# KiCad board mtk64_R_rev2.kicad_pcb (continued)
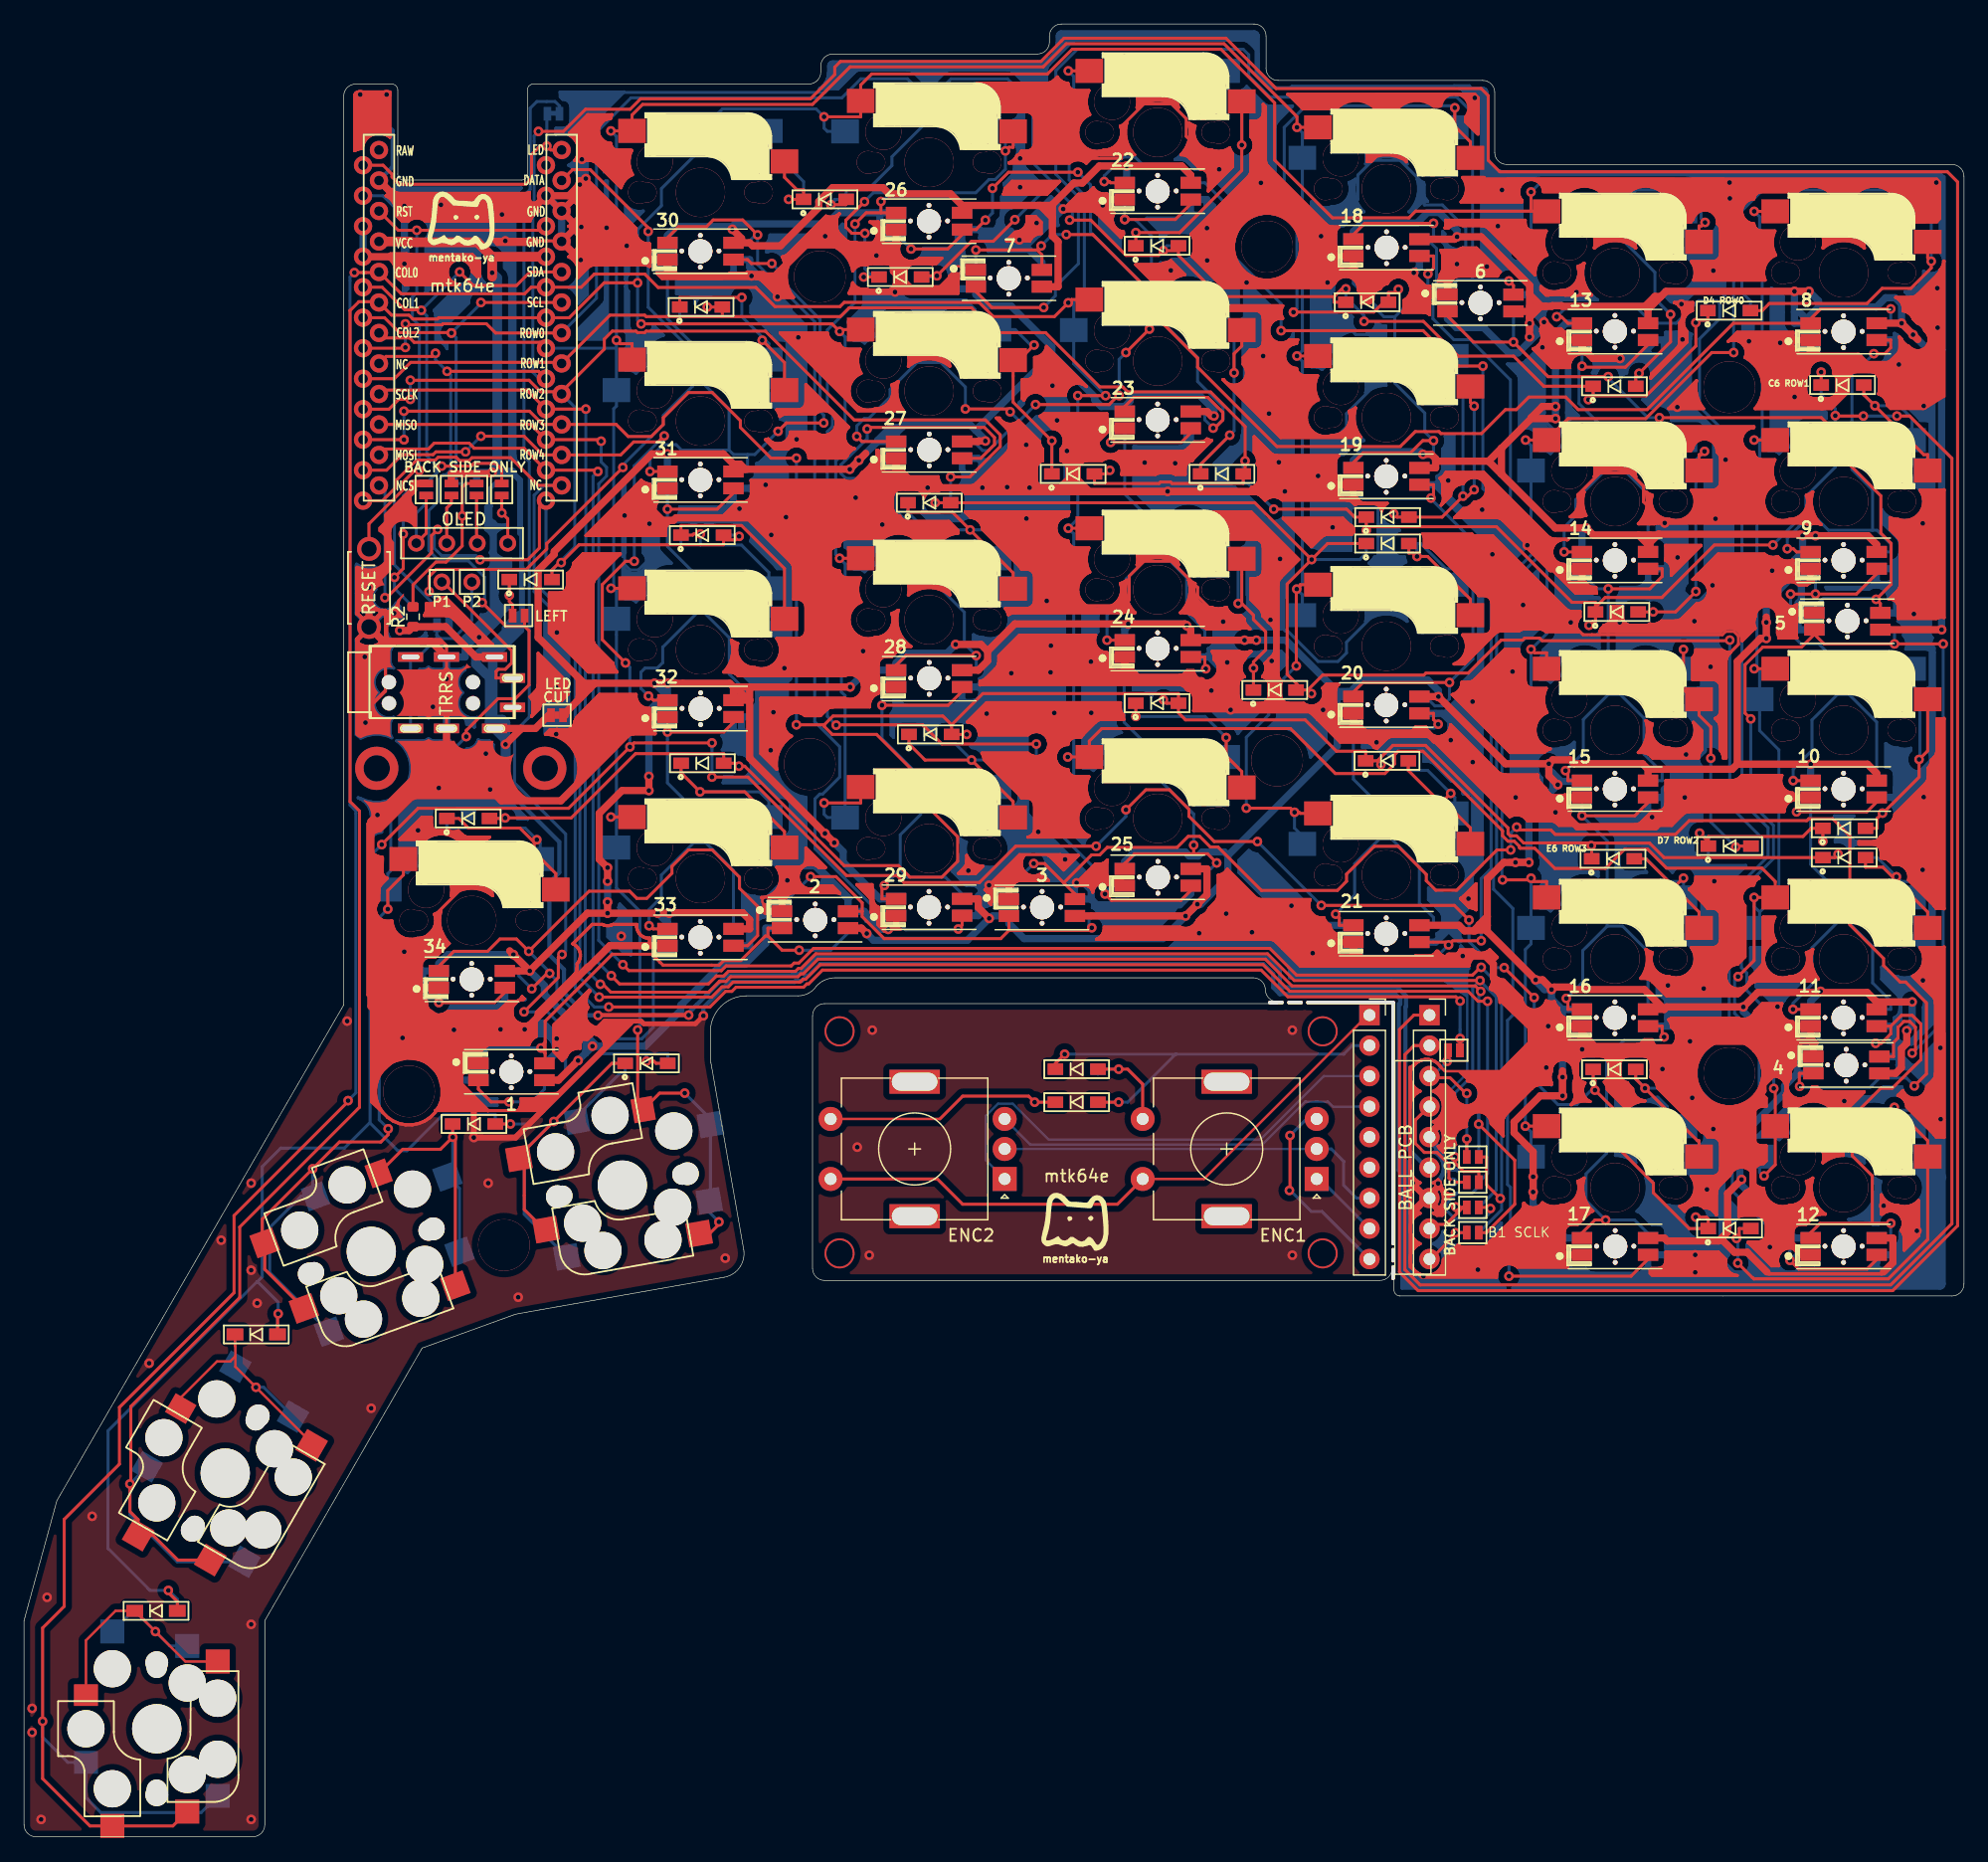
[diagram p0: board, top side]
## Copper pours and planes (outline as drawn; the poured copper is in the pictures) (continued)
GND on Top (solid shape): 53.45,108.9 53.46,109.03 53.5,109.14 53.55,109.26 53.63,109.35 53.73,109.43 53.84,109.49 53.96,109.53 54.04,109.53 54.1,109.65 54.14,109.7 54.1,109.67 53.91,109.59 53.71,109.55 53.51,109.55 53.31,109.59 53.12,109.67 52.95,109.78 52.81,109.93 52.69,110.1 52.61,110.29 52.57,110.49 52.57,110.69 52.61,110.89 52.69,111.08 52.77,111.19 52.64,111.2 52.52,111.24 52.41,111.3 52.31,111.37 52.23,111.47 52.17,111.58 52.13,111.7 52.12,111.83 52.12,112.04 52.28,112.2 53.48,112.2 53.48,112.18 53.74,112.18 53.74,112.2 53.76,112.2 53.76,112.45 53.74,112.45 53.74,112.47 53.48,112.47 53.48,112.45 52.28,112.45 52.12,112.61 52.12,112.69 52.06,112.69 51.86,112.73 51.67,112.81 51.5,112.92 51.43,112.99 46.82,108.39 53.45,108.39
GND on Top (solid shape): 47.57,97.03 47.62,97.02 49.41,97.02 49.31,97.12 49.2,97.29 49.12,97.48 49.08,97.68 49.08,97.74 47.67,99.15 47.64,99.18 47.55,99.29 47.48,99.42 47.43,99.57 47.42,99.72 47.42,99.75 47.42,104.27 47.42,104.31 47.43,104.46 47.48,104.6 47.55,104.73 47.64,104.85 47.67,104.87 49.56,106.76 49.58,106.79 49.67,106.87 46.56,106.87 45.79,106.1 45.79,106.03 45.75,105.83 45.68,105.65 45.56,105.48 45.42,105.33 45.27,105.23 45.27,105.2 45.27,104.25 45.26,104.13 45.22,104.01 45.17,103.9 45.09,103.8 44.99,103.72 44.88,103.66 44.76,103.62 44.63,103.61 43.77,103.61 43.77,100.29 46.87,97.18 46.91,97.16 46.94,97.12 47.04,97.02 47.52,97.02
GND on Top (solid shape): 159.47,101.55 159.67,101.59 159.87,101.59 159.97,101.57 159.97,112.21 159.88,112.18 159.76,112.17 157.97,112.17 158.09,111.98 158.21,111.69 158.28,111.38 158.28,111.07 158.21,110.76 158.09,110.47 157.92,110.22 157.7,109.99 157.44,109.82 157.15,109.7 156.85,109.64 156.53,109.64 156.23,109.7 156.13,109.74 155.96,109.74 155.68,109.8 155.47,109.88 155.47,108.91 156.07,108.3 156.1,108.28 156.2,108.16 156.27,108.03 156.31,107.89 156.33,107.74 156.32,107.7 156.32,104.36 156.33,104.33 156.31,104.18 156.27,104.03 156.2,103.9 156.1,103.79 156.07,103.76 155.4,103.09 155.52,103.09 155.64,103.08 155.76,103.04 155.87,102.98 155.97,102.9 156.05,102.81 156.11,102.69 156.14,102.58 156.16,102.45 156.16,101.49 159.32,101.49
GND on Top (solid shape): 73.03,119.15 72.83,119.64 72.72,120.16 72.72,120.69 72.83,121.21 72.83,121.22 72.61,121.07 72.3,120.95 72.34,120.86 72.4,120.57 72.4,120.28 72.34,119.99 72.23,119.72 72.06,119.48 71.86,119.27 71.61,119.11 71.34,119 71.06,118.94 70.89,118.94 70.79,118.9 70.49,118.84 70.17,118.84 69.87,118.9 69.58,119.02 69.32,119.19 69.1,119.42 68.93,119.67 68.81,119.96 68.75,120.27 68.75,120.58 68.81,120.89 68.93,121.18 69.1,121.44 69.32,121.66 69.58,121.83 69.75,121.9 69.71,121.95 69.55,122.34 69.47,122.76 69.47,123.18 69.55,123.59 69.68,123.91 68.56,123.91 68.44,123.92 68.32,123.96 68.21,124.02 68.11,124.09 68.03,124.19 67.97,124.3 67.95,124.36 67.86,124.36 67.66,124.4 67.47,124.47 67.3,124.59 67.15,124.73 67.04,124.9 66.96,125.09 66.93,125.26 63,125.26 69.48,118.78 73.28,118.78
GND on Top (solid shape): 126.7,90.36 126.71,90.38 126.85,90.49 127.01,90.58 127.16,90.62 127.02,90.65 126.73,90.77 126.47,90.94 126.25,91.17 126.08,91.42 125.96,91.71 125.9,92.02 125.9,92.33 125.96,92.64 126.08,92.93 126.25,93.19 126.47,93.41 126.73,93.58 126.9,93.65 126.86,93.7 126.7,94.09 126.62,94.51 126.62,94.93 126.7,95.34 126.83,95.66 125.71,95.66 125.59,95.67 125.47,95.71 125.36,95.77 125.26,95.84 125.18,95.94 125.12,96.05 125.08,96.17 125.07,96.3 125.07,97.99 124.9,98.11 124.76,98.25 124.64,98.42 124.56,98.61 124.53,98.81 124.53,98.92 123.39,98.92 120.89,96.42 120.87,96.39 120.75,96.3 120.62,96.23 120.48,96.18 120.33,96.17 120.29,96.17 119.8,96.17 119.8,96.05 119.76,95.85 119.68,95.66 119.57,95.49 119.42,95.35 119.25,95.23 119.07,95.16 119,95.14 123.82,90.32 126.6,90.32
GND on Top (solid shape): 80.58,77.82 80.73,77.98 81.93,77.98 81.93,77.96 82.19,77.96 82.19,77.98 82.21,77.98 82.21,78.23 82.19,78.23 82.19,79.08 82.35,79.24 82.37,79.24 82.43,79.34 82.52,79.45 82.62,79.54 82.74,79.6 82.87,79.64 83.01,79.65 83.04,79.65 85.36,79.65 84.76,80.25 84.62,80.15 84.43,80.07 84.23,80.03 84.02,80.03 83.82,80.07 83.63,80.15 83.47,80.26 83.32,80.41 83.21,80.58 83.13,80.77 83.09,80.97 83.09,81.17 83.13,81.37 83.21,81.56 83.32,81.73 83.35,81.75 82.94,81.75 80.17,78.98 80.14,78.95 80.06,78.88 80.17,78.79 80.29,78.65 80.31,78.61 80.57,78.61 80.58,78.73 80.62,78.85 80.68,78.96 80.76,79.06 80.86,79.14 80.97,79.19 81.09,79.23 81.21,79.24 81.77,79.24 81.93,79.08 81.93,78.23 80.73,78.23 80.58,78.39 80.57,78.61 80.31,78.61 80.38,78.48 80.43,78.31 80.45,78.13 80.45,78.08 80.45,77.79 80.57,77.66
GND on Top (solid shape): 159.97,74.11 159.88,74.08 159.76,74.07 157.97,74.07 158.09,73.88 158.21,73.59 158.28,73.28 158.28,72.97 158.21,72.66 158.09,72.37 157.92,72.11 157.7,71.89 157.44,71.72 157.36,71.69 159.01,70.03 159.04,70.01 159.14,69.89 159.21,69.76 159.25,69.62 159.27,69.47 159.26,69.43 159.26,63.59 159.27,63.55 159.25,63.4 159.21,63.26 159.14,63.12 159.04,63.01 159.01,62.98 158.53,62.5 158.53,62.44 158.49,62.24 158.41,62.05 158.3,61.88 158.16,61.74 157.99,61.63 157.8,61.55 157.6,61.51 157.4,61.51 157.2,61.55 157.01,61.63 156.84,61.74 156.69,61.88 156.58,62.05 156.54,62.16 156.22,61.84 156.19,61.81 156.13,61.76 156.13,61.75 156.32,61.68 156.49,61.56 156.63,61.42 156.75,61.25 156.83,61.06 156.87,60.86 156.87,60.8 159.12,58.54 159.15,58.52 159.24,58.4 159.3,58.29 159.76,58.29 159.88,58.28 159.97,58.25
GND on Top (solid shape): 101.39,100.67 101.59,100.71 101.79,100.71 101.99,100.67 102.14,100.61 101.92,100.83 101.9,100.85 101.8,100.97 101.73,101.1 101.69,101.24 101.67,101.39 101.68,101.44 101.39,101.73 101.26,101.7 101.06,101.7 100.86,101.74 100.67,101.82 100.5,101.93 100.36,102.07 100.24,102.24 100.17,102.42 100,102.35 99.7,102.29 99.38,102.29 99.08,102.35 98.98,102.39 98.81,102.39 98.53,102.45 98.26,102.56 98.01,102.72 97.81,102.93 97.64,103.17 97.53,103.44 97.47,103.73 97.47,104.02 97.53,104.31 97.57,104.4 97.26,104.52 97.04,104.67 97.04,104.66 97.15,104.14 97.15,103.61 97.04,103.09 96.84,102.6 96.55,102.16 96.35,101.96 96.69,101.96 96.73,101.97 96.91,101.95 97.09,101.9 97.1,101.9 97.18,101.88 97.37,101.8 97.54,101.69 97.68,101.54 97.79,101.37 97.85,101.23 97.87,101.22 97.99,101.07 98.08,100.91 98.11,100.81 98.18,100.8 98.3,100.77 98.41,100.71 98.51,100.63 98.52,100.61 101.24,100.61
GND on Top (solid shape): 91.4,133.24 91.45,133.36 91.53,133.45 91.6,133.51 91.6,133.52 91.6,133.69 91.41,133.73 91.22,133.8 91.05,133.92 90.91,134.06 90.79,134.23 90.71,134.42 90.68,134.62 90.68,134.82 90.71,135.02 90.79,135.21 90.81,135.24 90.74,135.25 90.62,135.29 90.51,135.35 90.41,135.42 90.33,135.52 90.27,135.63 90.23,135.75 90.22,135.88 90.22,136.09 90.38,136.25 91.58,136.25 91.58,136.23 91.84,136.23 91.84,136.25 91.86,136.25 91.86,136.5 91.84,136.5 91.84,136.52 91.58,136.52 91.58,136.5 90.38,136.5 90.22,136.66 90.22,136.86 90.1,136.84 89.9,136.84 89.7,136.88 89.51,136.96 89.34,137.07 89.2,137.22 89.1,137.36 88.87,137.13 88.84,137.09 88.7,136.97 88.54,136.89 88.36,136.83 88.18,136.82 88.13,136.82 87.86,136.82 86.62,135.58 86.63,135.58 86.82,135.66 87.02,135.7 87.22,135.7 87.42,135.66 87.61,135.58 87.78,135.47 87.82,135.43 88.84,135.43 88.88,135.43 89.03,135.42 89.17,135.37 89.3,135.3 89.42,135.21 89.44,135.18 91.39,133.23
GND on Top (solid shape): 38.98,78.66 38.98,79.08 39.05,79.42 38.84,79.51 38.49,79.75 38.19,80.04 37.96,80.39 37.8,80.78 37.71,81.2 37.71,81.62 37.8,82.03 37.96,82.42 38.19,82.77 38.49,83.06 38.79,83.26 37.07,83.26 37.03,83.26 36.88,83.28 36.74,83.32 36.61,83.39 36.49,83.48 36.47,83.51 36.19,83.79 36.13,83.76 36.01,83.72 35.88,83.71 34.59,83.71 34.46,83.72 34.34,83.76 34.23,83.82 34.13,83.9 34.05,84 34,84.11 33.96,84.23 33.95,84.35 33.95,84.91 33.14,84.91 31.31,83.08 32.76,83.08 32.88,83.07 33,83.03 33.11,82.98 33.21,82.9 33.23,82.88 33.41,83.06 33.76,83.3 34.15,83.46 34.56,83.54 34.98,83.54 35.39,83.46 35.78,83.3 36.13,83.06 36.43,82.77 36.66,82.42 36.82,82.03 36.9,81.62 36.9,81.2 36.82,80.78 36.66,80.39 36.43,80.04 36.13,79.75 35.78,79.51 35.57,79.42 35.63,79.08 35.63,78.66 35.58,78.4 35.6,78.41 36.04,78.7 36.53,78.91 37.05,79.01 37.57,79.01 38.09,78.91 38.58,78.7 39.02,78.41 39.04,78.4
GND on Top (solid shape): 128.78,122.4 128.78,122.6 128.81,122.8 128.89,122.99 129.01,123.16 129.15,123.3 129.32,123.42 129.51,123.5 129.71,123.54 129.91,123.54 130.11,123.5 130.16,123.48 130.12,123.54 130.1,123.54 129.94,123.7 129.94,124.55 129.96,124.55 129.96,124.8 129.94,124.8 129.94,124.82 129.68,124.82 129.68,124.8 128.48,124.8 128.33,124.96 128.32,125.18 128.33,125.3 128.35,125.37 128.34,125.37 128.21,125.44 128.09,125.54 128.07,125.56 128.01,125.62 128,125.62 127.8,125.58 127.6,125.58 127.4,125.62 127.21,125.7 127.04,125.81 126.9,125.96 126.78,126.13 126.71,126.31 126.67,126.47 126.45,126.25 126.47,126.16 126.47,125.96 126.43,125.76 126.37,125.61 126.37,125.38 126.43,125.23 126.47,125.03 126.47,124.83 126.43,124.63 126.35,124.44 126.24,124.27 126.14,124.18 128.32,124.18 128.33,124.39 128.48,124.55 129.68,124.55 129.68,123.7 129.52,123.54 128.96,123.54 128.84,123.55 128.72,123.59 128.61,123.65 128.51,123.72 128.43,123.82 128.37,123.93 128.33,124.05 128.32,124.18 126.14,124.18 126.1,124.13 125.93,124.02 125.74,123.94 127.3,122.39 128.78,122.39
GND on Top (solid shape): 138.17,85.15 138.2,85.18 138.31,85.28 138.44,85.35 138.59,85.39 138.74,85.4 138.77,85.4 146.65,85.4 146.65,85.47 146.69,85.67 146.77,85.86 146.88,86.03 147.02,86.18 147.19,86.29 147.38,86.37 147.47,86.38 147.53,86.45 148.73,86.45 148.73,86.43 148.99,86.43 148.99,86.45 149.01,86.45 149.01,86.7 148.99,86.7 148.99,86.72 148.73,86.72 148.73,86.7 147.53,86.7 147.38,86.86 147.37,86.94 147.3,86.94 147.1,86.98 146.91,87.06 146.74,87.17 146.6,87.32 146.49,87.49 146.41,87.67 146.37,87.87 146.37,88.08 146.41,88.28 146.46,88.41 143.13,88.41 143.02,88.3 142.99,88.26 142.85,88.14 142.68,88.06 142.51,88 142.32,87.99 142.28,87.99 136.8,87.99 136.8,87.48 136.79,87.35 136.76,87.28 136.79,87.2 136.8,87.08 136.8,86.08 136.79,85.95 136.75,85.83 136.69,85.72 136.61,85.62 136.51,85.54 136.4,85.49 136.28,85.45 136.16,85.44 135.67,85.44 134.77,84.54 134.74,84.51 134.63,84.41 134.5,84.34 134.35,84.3 134.2,84.29 134.17,84.29 130.51,84.29 130.48,84.25 137.28,84.25
GND on Top (solid shape): outline of 89 points within 105.31,139.61 121.3,145.28
GND on Top (solid shape): outline of 86 points within 61.46,76.94 67.97,82.37
GND on Top (solid shape): outline of 84 points within 116.65,97.69 129.65,108.37
GND on Top (solid shape): outline of 99 points within 61.78,114.84 69.19,120.97
GND on Top (solid shape): outline of 100 points within 43.44,86.43 53.76,95.15
GND on Top (solid shape): outline of 109 points within 142.88,47.57 150.09,54.87
GND on Top (solid shape): outline of 86 points within 152.88,77.3 159.97,93.16
GND on Top (solid shape): outline of 123 points within 78.41,101.8 92.57,110.37
GND on Top (solid shape): outline of 133 points within 79.44,139.41 92.53,146.59
GND on Top (solid shape): outline of 141 points within 78.59,83.27 91.63,94.47
GND on Top (solid shape): outline of 142 points within 117.98,103.58 131.02,113.65
GND on Top (solid shape): outline of 161 points within 99.07,116.57 111.39,127.72
GND on Top (solid shape): outline of 177 points within 134.5,109.31 149.73,117.45
GND on Top (solid shape): outline of 173 points within 89.35,72.54 122.75,80.59
GND on Top (solid shape): outline of 186 points within 134.71,70.06 149.5,79.93
GND on Top (solid shape): outline of 215 points within 131.28,99.62 149.32,106.84
GND on Top (solid shape): outline of 243 points within 141.99,118.84 160,131.26
GND on Top (solid shape): outline of 275 points within 119.73,129.67 159.75,138.23
GND on Top (solid shape): outline of 290 points within 97.23,126.79 123.01,144.3
GND on Top (solid shape): outline of 455 points within 27.57,83.23 42.18,111.91
GND on Top (solid shape): outline of 467 points within 29.38,128.22 79.46,138.16
GND on Top (solid shape): outline of 466 points within 79.65,84.25 129.96,110.37
GND on Top (solid shape): outline of 816 points within 58.22,88.92 113.58,118.54
GND on Top (solid shape): outline of 1026 points within 115.4,46.47 153.32,72.02
GND on Bottom (solid shape): 36.25,98.68 34.15,98.68 34.15,97.88 36.25,97.88
GND on Bottom (solid shape): 36.25,92.73 34.15,92.73 34.15,91.93 36.25,91.93
GND on Bottom (solid shape): 40.91,71.23 39.21,71.23 39.21,70.23 40.91,70.23
GND on Bottom (solid shape): 44.21,64.93 42.51,64.93 42.51,63.93 44.21,63.93
GND on Bottom (solid shape): 59.96,131.88 58.26,131.88 58.26,130.88 59.96,130.88
GND on Bottom (solid shape): 59.96,112.83 58.26,112.83 58.26,111.83 59.96,111.83
GND on Bottom (solid shape): 59.96,93.78 58.26,93.78 58.26,92.78 59.96,92.78
GND on Bottom (solid shape): 59.96,74.73 58.26,74.73 58.26,73.73 59.96,73.73
GND on Bottom (solid shape): 69.51,77.59 67.81,77.59 67.81,76.59 69.51,76.59
GND on Bottom (solid shape): 79.01,134.38 77.31,134.38 77.31,133.38 79.01,133.38
GND on Bottom (solid shape): 79.01,115.33 77.31,115.33 77.31,114.33 79.01,114.33
GND on Bottom (solid shape): 79.01,96.28 77.31,96.28 77.31,95.28 79.01,95.28
GND on Bottom (solid shape): 79.01,77.23 77.31,77.23 77.31,76.23 79.01,76.23
GND on Bottom (solid shape): 85.66,131.02 83.96,131.02 83.96,130.02 85.66,130.02
GND on Bottom (solid shape): 88.41,78.61 86.71,78.61 86.71,77.61 88.41,77.61
GND on Bottom (solid shape): 98.06,136.88 96.36,136.88 96.36,135.88 98.06,135.88
GND on Bottom (solid shape): 98.06,117.83 96.36,117.83 96.36,116.83 98.06,116.83
GND on Bottom (solid shape): 98.06,98.78 96.36,98.78 96.36,97.78 98.06,97.78
GND on Bottom (solid shape): 98.06,79.73 96.36,79.73 96.36,78.73 98.06,78.73
GND on Bottom (solid shape): 117.11,132.18 115.41,132.18 115.41,131.18 117.11,131.18
GND on Bottom (solid shape): 117.11,113.13 115.41,113.13 115.41,112.13 117.11,112.13
GND on Bottom (solid shape): 117.11,94.08 115.41,94.08 115.41,93.08 117.11,93.08
GND on Bottom (solid shape): 117.11,75.03 115.41,75.03 115.41,74.03 117.11,74.03
GND on Bottom (solid shape): 124.95,128.96 123.25,128.96 123.25,127.96 124.95,127.96
GND on Bottom (solid shape): 136.16,125.18 134.46,125.18 134.46,124.18 136.16,124.18
GND on Bottom (solid shape): 136.16,106.13 134.46,106.13 134.46,105.13 136.16,105.13
GND on Bottom (solid shape): 136.16,87.08 134.46,87.08 134.46,86.08 136.16,86.08
GND on Bottom (solid shape): 136.16,68.03 134.46,68.03 134.46,67.03 136.16,67.03
GND on Bottom (solid shape): 136.16,48.98 134.46,48.98 134.46,47.98 136.16,47.98
GND on Bottom (solid shape): 155.21,125.18 153.51,125.18 153.51,124.18 155.21,124.18
GND on Bottom (solid shape): 155.21,106.13 153.51,106.13 153.51,105.13 155.21,105.13
GND on Bottom (solid shape): 155.21,87.08 153.51,87.08 153.51,86.08 155.21,86.08
GND on Bottom (solid shape): 155.21,68.03 153.51,68.03 153.51,67.03 155.21,67.03
GND on Bottom (solid shape): 155.21,48.98 153.51,48.98 153.51,47.98 155.21,47.98
GND on Bottom (solid shape): 155.44,65.49 153.74,65.49 153.74,64.49 155.44,64.49
GND on Bottom (solid shape): 155.52,102.45 153.82,102.45 153.82,101.45 155.52,101.45
GND on Bottom (solid shape): 49.93,106.74 50.04,106.91 50.08,106.95 50.08,113.05 50,113.03 49.89,113.03 49.89,106.66
GND on Bottom (solid shape): 45.4,99.97 44.07,101.37 43.25,101.37 43.26,91.89 43.26,91.84 43.67,91.84 44.22,91.73 44.73,91.51 45.2,91.2 45.4,90.85
GND on Bottom (solid shape): 127.25,62.83 127.19,62.98 127.15,63.18 127.15,63.38 127.19,63.58 127.25,63.73 127.25,68.49 126.64,69.1 126.6,69.13 126.58,69.16 126.58,63.29 127.25,62.62
GND on Bottom (solid shape): 144.06,126.01 143.2,126.01 143.2,124.34 143.25,124.29 143.36,124.12 143.44,123.94 143.48,123.74 143.48,123.53 143.44,123.33 143.39,123.22 143.4,123.22 143.86,122.91 144.06,122.71
GND on Bottom (solid shape): 107.28,76.92 107.17,77.09 107.09,77.28 107.05,77.48 107.05,77.54 102.72,81.87 102.66,81.87 102.46,81.91 102.27,81.98 102.1,82.1 102.05,82.16 101.24,81.35 101.24,80.32 104.7,76.86 107.34,76.86
GND on Bottom (solid shape): 146.47,105.42 146.5,105.45 146.57,105.51 146.57,106.3 146.57,106.31 146.42,106.37 146.25,106.49 146.11,106.63 146.1,106.64 146.02,106.61 145.82,106.57 145.61,106.57 145.41,106.61 145.23,106.69 145.14,106.74 145.14,104.09
GND on Bottom (solid shape): 48.32,124.76 48.36,124.96 48.44,125.15 48.56,125.32 48.6,125.36 48.6,137.92 48.45,137.92 48.45,128.2 48.46,128.17 48.44,128.02 48.4,127.87 48.33,127.74 48.23,127.63 48.21,127.6 46.16,125.56 46.19,125.4 46.19,125.13 46.14,124.86 46.09,124.76 48.32,124.76
GND on Bottom (solid shape): 50.13,129.75 50.21,129.93 50.32,130.1 50.36,130.15 50.36,133.84 50.36,133.88 50.37,134.03 50.42,134.17 50.49,134.3 50.58,134.42 50.61,134.44 51.59,135.42 51.44,135.39 51.12,135.39 50.82,135.45 50.53,135.57 50.27,135.74 50.12,135.89 50.12,129.71
GND on Bottom (solid shape): 116.24,135.93 116.27,135.97 116.41,136.08 116.58,136.17 116.75,136.22 116.95,136.24 116.86,136.33 116.69,136.57 116.58,136.84 116.53,137.13 116.53,137.42 116.58,137.71 116.62,137.8 116.31,137.92 116.09,138.07 116.09,138.06 116.19,137.54 116.19,137.01 116.09,136.49 115.89,136 115.6,135.56 115.39,135.36 115.67,135.36
GND on Bottom (solid shape): 71.57,75.64 71.46,75.69 71.36,75.77 71.28,75.87 71.22,75.98 71.21,76.01 71.19,76.02 71.06,76.09 70.94,76.19 70.92,76.21 70.14,76.99 70.14,76.96 69.99,76.96 70.14,76.8 70.15,76.59 70.13,76.47 70.11,76.39 70.13,76.31 70.14,76.27 70.32,76.27 70.52,76.24 70.71,76.16 70.88,76.04 71.02,75.9 71.13,75.73 71.18,75.61 71.64,75.61
GND on Bottom (solid shape): 27.59,140.47 27.84,140.58 28.11,140.63 28.18,140.63 28.18,140.64 28.23,140.91 28.34,141.17 28.49,141.4 28.68,141.59 28.91,141.74 29.17,141.85 29.44,141.9 29.71,141.9 29.98,141.85 30.24,141.74 30.46,141.59 30.48,141.58 30.48,145.34 27.92,145.34 27.82,145.33 27.76,145.31 27.7,145.28 27.65,145.24 27.61,145.19 27.58,145.13 27.56,145.07 27.55,144.97 27.55,140.45
GND on Bottom (solid shape): 129.96,62.65 129.97,62.68 129.97,62.82 129.96,62.82 129.84,62.86 129.73,62.92 129.63,63 129.55,63.1 129.5,63.21 129.46,63.33 129.45,63.45 129.45,64.4 129.46,64.52 129.5,64.64 129.55,64.75 129.63,64.85 129.73,64.93 129.84,64.99 129.96,65.03 130.09,65.04 130.81,65.04 129.46,66.39 129.12,66.39 129.12,63.73 129.18,63.58 129.22,63.38 129.22,63.18 129.18,62.98 129.12,62.83 129.12,62.17 129.18,62.02 129.21,61.89
GND on Bottom (solid shape): 39.12,108.39 39.27,108.61 39.45,108.79 39.67,108.94 39.92,109.04 40.17,109.09 40.3,109.09 40.3,109.36 40.11,109.28 39.91,109.24 39.71,109.24 39.51,109.28 39.32,109.36 39.15,109.47 39.01,109.62 38.89,109.79 38.81,109.97 38.77,110.17 38.77,110.38 38.81,110.58 38.89,110.77 38.95,110.84 38.88,110.88 38.79,110.96 38.76,110.99 38.73,110.96 38.64,110.88 38.53,110.82 38.47,110.8 38.47,108.89 38.61,108.79 38.8,108.61 38.95,108.39 39.03,108.17
GND on Bottom (solid shape): 91.35,133 91.36,133.13 91.4,133.24 91.45,133.36 91.53,133.45 91.6,133.51 91.6,133.52 91.6,133.69 91.41,133.73 91.22,133.8 91.05,133.92 90.91,134.06 90.79,134.23 90.71,134.42 90.68,134.62 90.68,134.82 90.71,135.02 90.79,135.21 90.81,135.24 90.74,135.25 90.62,135.29 90.51,135.35 90.41,135.42 90.33,135.52 90.27,135.63 90.23,135.75 90.22,135.88 90.22,136.86 90.1,136.84 89.9,136.84 89.7,136.88 89.62,136.91 89.62,133.98 91.35,132.25
GND on Bottom (solid shape): 155.87,67.44 155.95,67.63 156.06,67.8 156.21,67.95 156.38,68.06 156.38,68.06 156.38,69.09 156.32,69.24 156.3,69.37 156.3,68.96 156.3,68.93 156.28,68.78 156.24,68.63 156.17,68.5 156.08,68.39 155.96,68.29 155.83,68.22 155.82,68.22 155.84,68.15 155.85,68.03 155.84,67.81 155.69,67.65 154.49,67.65 154.49,67.67 154.23,67.67 154.23,67.65 154.21,67.65 154.21,67.4 154.23,67.4 154.23,67.38 154.49,67.38 154.49,67.4 155.69,67.4 155.83,67.25
GND on Bottom (solid shape): 115.19,139.61 115.19,140.03 115.25,140.37 115.04,140.46 114.69,140.7 114.39,140.99 114.16,141.34 114,141.73 113.91,142.15 113.91,142.57 114,142.98 114.16,143.37 114.2,143.43 112.82,143.43 112.86,143.37 113.02,142.98 113.11,142.57 113.11,142.15 113.02,141.73 112.86,141.34 112.63,140.99 112.33,140.7 111.98,140.46 111.77,140.37 111.84,140.03 111.84,139.61 111.78,139.35 111.8,139.36 112.24,139.66 112.73,139.86 113.25,139.96 113.77,139.96 114.29,139.86 114.78,139.66 115.22,139.36 115.24,139.35
GND on Bottom (solid shape): 124.21,93.15 124.17,93.17 124.06,93.23 123.96,93.3 123.88,93.4 123.82,93.51 123.78,93.63 123.77,93.76 123.77,95.76 123.78,95.88 123.82,96 123.88,96.11 123.96,96.21 124.06,96.29 124.17,96.35 124.29,96.38 124.41,96.39 124.8,96.39 124.8,98.21 124.76,98.25 124.64,98.42 124.56,98.61 124.53,98.81 124.53,99.01 124.56,99.21 124.64,99.4 124.76,99.57 124.9,99.71 125.07,99.83 125.26,99.91 125.46,99.95 125.52,99.95 126.13,100.56 126.13,105.51 123.45,102.83 123.45,92.39
GND on Bottom (solid shape): 75,111.62 75.11,111.79 75.26,111.93 75.43,112.04 75.62,112.12 75.82,112.16 76.02,112.16 76.19,112.13 76.2,112.13 76.31,112.19 76.43,112.23 76.44,112.23 76.44,112.57 76.4,112.62 76.29,112.79 76.21,112.97 76.17,113.17 76.17,113.28 73.64,113.28 73.61,113.28 73.47,113.29 73.42,113.31 73.42,113.19 73.42,113.15 73.42,113.12 73.42,112.24 74.31,112.24 74.43,112.23 74.55,112.19 74.66,112.13 74.76,112.05 74.84,111.96 74.89,111.84 74.93,111.73 74.94,111.6 74.94,111.48
GND on Bottom (solid shape): 118.88,130.2 118.9,130.22 119.02,130.32 119.15,130.39 119.29,130.43 119.44,130.45 119.48,130.44 119.93,130.44 119.93,132.39 119.89,132.36 119.7,132.28 119.5,132.24 119.3,132.24 119.1,132.28 118.91,132.36 118.74,132.47 118.59,132.62 118.48,132.79 118.4,132.97 118.36,133.17 118.36,133.38 118.39,133.51 118.2,133.7 118.2,133.7 118.2,133.11 118.2,133.08 118.18,132.93 118.17,132.89 118.2,132.86 118.23,132.83 118.33,132.72 118.4,132.59 118.44,132.44 118.46,132.29 118.45,132.26 118.45,129.77
GND on Bottom (solid shape): 128.66,117.96 129.01,118.2 129.4,118.36 129.5,118.38 129.05,118.83 129.02,118.85 128.92,118.97 128.85,119.1 128.81,119.24 128.79,119.39 128.8,119.43 128.8,122.21 128.79,122.25 128.8,122.29 128.78,122.4 128.78,122.6 128.81,122.8 128.89,122.99 129.01,123.16 129.05,123.2 129.05,123.54 128.96,123.54 128.84,123.55 128.72,123.59 128.61,123.65 128.53,123.7 128.53,119.59 128.59,119.45 128.63,119.25 128.63,119.04 128.59,118.84 128.53,118.7 128.53,118.58 128.59,118.44 128.63,118.24 128.63,118.03 128.61,117.92
GND on Bottom (solid shape): 111.8,120.31 112.24,120.61 112.73,120.81 113.25,120.91 113.47,120.91 113.47,120.94 113.45,121.09 113.45,121.12 113.45,125.85 113.34,125.85 113.3,125.85 113.15,125.86 113.01,125.91 112.88,125.98 112.76,126.07 112.74,126.1 112.69,126.15 112.69,126.13 112.65,125.93 112.57,125.74 112.45,125.57 112.31,125.43 112.14,125.32 111.95,125.24 111.91,125.23 111.98,125.2 112.33,124.96 112.63,124.67 112.86,124.32 113.02,123.93 113.11,123.52 113.11,123.1 113.02,122.68 112.86,122.29 112.63,121.94 112.33,121.65 111.98,121.41 111.77,121.32 111.84,120.98 111.84,120.56 111.78,120.3
GND on Bottom (solid shape): 63.83,131.27 64.14,131.73 64.53,132.11 64.98,132.42 65.49,132.63 66.03,132.74 66.58,132.74 67.12,132.63 67.62,132.42 68.08,132.11 68.47,131.73 68.48,131.71 68.48,133.64 68.43,133.68 68.32,133.85 68.24,134.04 68.2,134.24 68.2,134.33 67.59,133.73 67.56,133.69 67.42,133.57 67.26,133.49 67.08,133.43 66.9,133.42 66.85,133.42 62.15,133.42 62.15,133.33 62.12,133.13 62.04,132.94 61.92,132.78 61.88,132.73 61.88,132 62,132.05 62.2,132.09 62.41,132.09 62.61,132.05 62.79,131.97 62.96,131.86 63.11,131.71 63.22,131.54 63.3,131.35 63.34,131.15 63.34,131.09 63.64,130.79
GND on Bottom (solid shape): 146.35,68.82 146.35,69.03 146.39,69.23 146.47,69.42 146.58,69.59 146.67,69.67 146.68,69.71 146.75,69.85 146.85,69.96 146.88,69.99 148.21,71.32 148.21,72.12 148.06,71.97 147.81,71.81 147.54,71.7 147.26,71.64 147.09,71.64 146.99,71.6 146.69,71.54 146.37,71.54 146.07,71.6 145.78,71.72 145.52,71.89 145.3,72.11 145.13,72.37 145.01,72.66 144.94,72.97 144.94,73.28 145.01,73.59 145.13,73.88 145.25,74.07 143.86,74.07 143.86,72.71 144.05,72.52 144.07,72.49 144.17,72.38 144.24,72.24 144.28,72.1 144.3,71.95 144.29,71.92 144.29,70.82 146.37,68.74
GND on Bottom (solid shape): 108.47,91.23 108.47,94.93 108.47,94.98 108.47,95.01 108.3,95.19 108.3,95.12 108.26,94.92 108.18,94.73 108.07,94.56 107.92,94.42 107.76,94.3 107.57,94.23 107.37,94.19 107.16,94.19 106.96,94.23 106.77,94.3 106.61,94.41 105.34,94.41 105.21,94.42 105.09,94.46 104.98,94.52 104.88,94.6 104.8,94.7 104.75,94.81 104.71,94.93 104.7,95.05 104.7,95.15 104.47,94.92 104.47,93.49 104.47,93.46 104.46,93.31 104.41,93.16 104.34,93.03 104.25,92.92 104.22,92.89 103.67,92.34 104.13,92.44 104.68,92.44 105.22,92.33 105.72,92.12 106.18,91.81 106.57,91.43 106.87,90.97 107.08,90.46 107.18,89.94
